# KiCad board V1.3.kicad_pcb (continued)
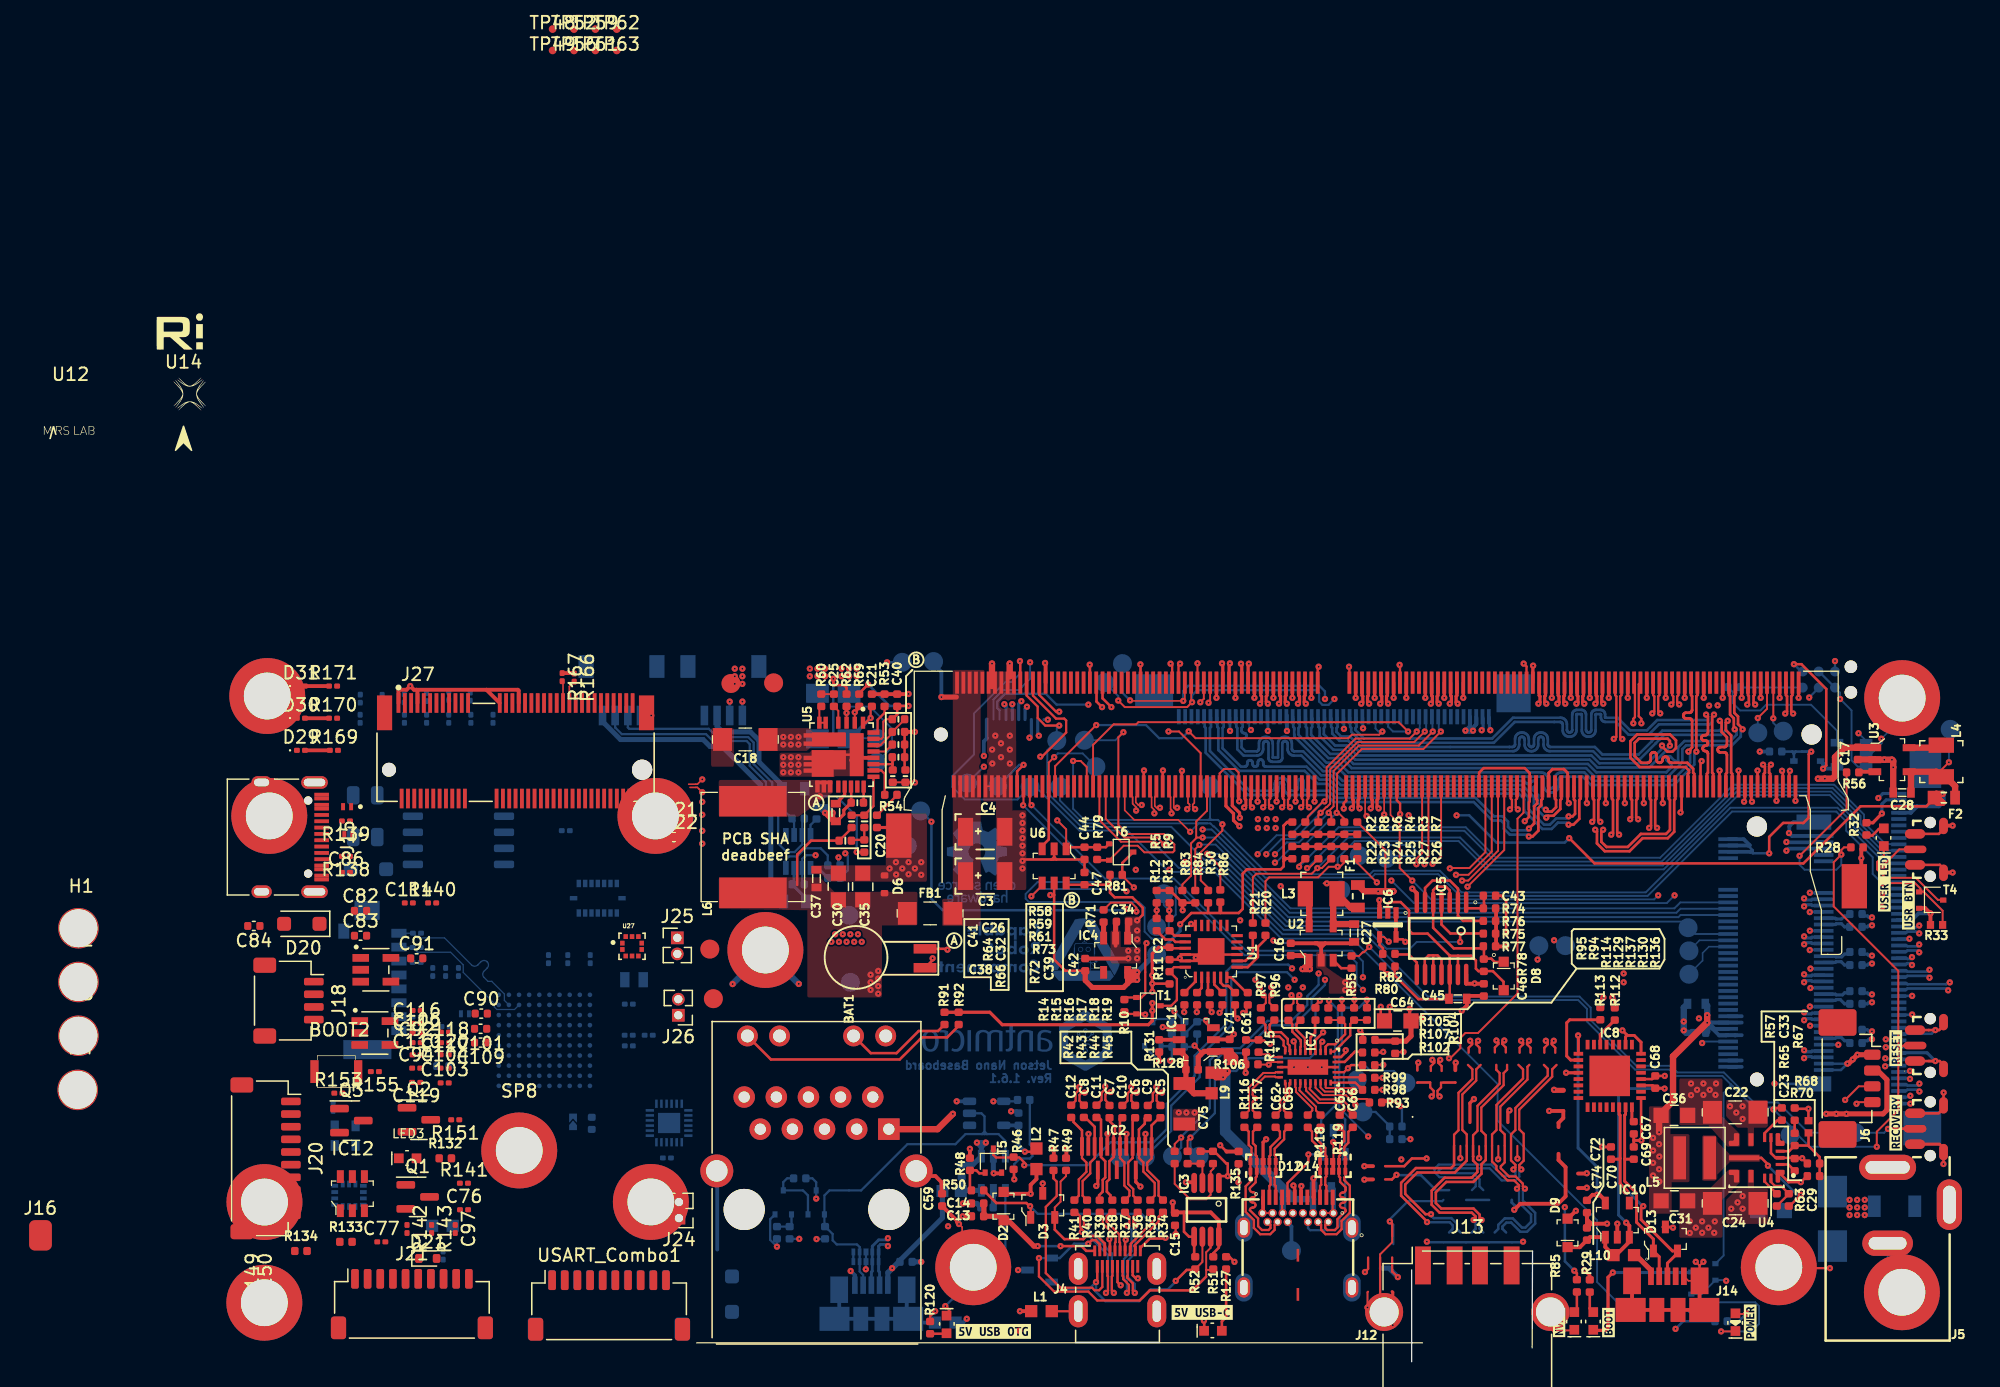
[diagram p0: board, top side]
## Routing (per net, layer and track width the routed paths; a pad name or vN(x,y) marks a point on that pad's centre or on a via; arc(x,y) is an arc through that point) (continued)
ENET_TRD0_P: length 53.4
  Top w0.125: M1.186 38.82,44.18 38.94,44.05 38.94,43.88 v1(38.76,43.69)
  In5_3V3_SYS_SIGNAL.Cu w0.125: v1(38.76,43.69) 38.89,43.55 38.89,43.05 37.77,41.92 31.39,41.92 30.82,41.35 30.82,34.65 30.83,34.56 30.86,34.47 30.9,34.4 30.97,34.33 31.04,34.29 31.13,34.26 31.22,34.25 31.37,34.25 31.41,34.24 31.45,34.23 31.48,34.21 31.51,34.18 31.53,34.15 31.54,34.11 31.55,34.07 31.54,34.03 31.53,34 31.51,33.96 31.48,33.93 31.45,33.91 31.41,33.9 31.37,33.9 30.49,33.9 30.4,33.89 30.31,33.86 30.24,33.81 30.17,33.75 30.13,33.67 30.1,33.58 30.09,33.5 30.09,33.45 30.1,33.36 30.13,33.27 30.17,33.2 30.24,33.13 30.31,33.09 30.4,33.06 30.49,33.05 31.37,33.05 31.41,33.04 31.45,33.03 31.48,33.01 31.51,32.98 31.53,32.95 31.54,32.91 31.55,32.87 31.54,32.83 31.53,32.8 31.51,32.76 31.48,32.73 31.45,32.71 31.41,32.7 31.37,32.7 30.49,32.7 30.4,32.69 30.31,32.66 30.24,32.61 30.17,32.55 30.13,32.47 30.1,32.38 30.09,32.3 30.09,32.25 30.1,32.16 30.13,32.07 30.17,32 30.24,31.93 30.31,31.89 30.4,31.86 30.49,31.85 31.37,31.85 31.41,31.84 31.45,31.83 31.48,31.81 31.51,31.78 31.53,31.75 31.54,31.71 31.55,31.67 31.54,31.63 31.53,31.6 31.51,31.56 31.48,31.53 31.45,31.51 31.41,31.5 31.37,31.5 31.22,31.5 31.13,31.49 31.04,31.46 30.97,31.41 30.9,31.35 30.86,31.27 30.83,31.18 30.82,31.1 30.82,27.45 30.32,26.95 26.71,23.35 26.69,23.33 26.67,23.32 26.64,23.31 26.61,23.31 26.58,23.32 26.56,23.33 26.54,23.35 26.32,23.56 26.3,23.58 26.27,23.59 26.25,23.6 26.22,23.6 26.19,23.59 26.17,23.58 26.15,23.56 26.13,23.54 26.12,23.51 26.11,23.49 26.11,23.46 26.12,23.43 26.13,23.41 26.15,23.38 26.36,23.17 26.38,23.15 26.39,23.12 26.4,23.09 26.4,23.07 26.39,23.04 26.38,23.01 26.36,22.99 26.34,22.97 26.31,22.96 26.29,22.96 26.26,22.96 26.23,22.96 26.21,22.97 26.18,22.99 25.97,23.21 25.95,23.22 25.92,23.24 25.89,23.24 25.87,23.24 25.84,23.24 25.81,23.22 25.79,23.21 25.77,23.18 25.76,23.16 25.76,23.13 25.76,23.1 25.76,23.08 25.77,23.05 25.79,23.03 26.01,22.81 26.02,22.79 26.04,22.77 26.04,22.74 26.04,22.71 26.04,22.69 26.02,22.66 26.01,22.64 25.98,22.62 25.96,22.61 25.93,22.6 25.9,22.6 25.88,22.61 25.85,22.62 25.83,22.64 25.61,22.85 25.59,22.87 25.57,22.88 25.54,22.89 25.51,22.89 25.49,22.88 25.46,22.87 25.44,22.85 25.42,22.83 25.41,22.81 25.4,22.78 25.4,22.75 25.41,22.72 25.42,22.7 25.44,22.68 25.65,22.46 25.67,22.44 25.68,22.41 25.69,22.39 25.69,22.36 25.68,22.33 25.67,22.31 25.65,22.28 25.21,21.85 14.83,21.85 J10.2
ENET_TRD1_N: length 53.4
  Top w0.125: 37.7,43.8 v1(37.96,43.8) ; 37.69,43.8 37.69,44.64 37.82,44.76 M1.190
  In5_3V3_SYS_SIGNAL.Cu w0.125: v1(37.96,43.8) 37.61,43.8 37.6,43.79 37.31,43.79 37.08,43.57 37.08,43.27 36.38,42.57 30.22,42.57 29.47,41.82 29.47,38.2 29.48,38.12 29.5,38.05 29.54,37.98 29.6,37.93 29.66,37.89 29.74,37.86 29.81,37.85 29.96,37.85 29.98,37.85 30.01,37.84 30.03,37.83 30.05,37.81 30.06,37.79 30.07,37.76 30.07,37.74 30.07,37.72 30.07,37.7 30.06,37.67 30.05,37.65 30.03,37.63 30.01,37.62 29.98,37.61 29.96,37.6 29.81,37.6 29.74,37.6 29.66,37.57 29.6,37.53 29.54,37.47 29.5,37.41 29.48,37.34 29.47,37.26 29.47,37.2 29.48,37.12 29.5,37.05 29.54,36.98 29.6,36.93 29.66,36.89 29.74,36.86 29.81,36.85 29.96,36.85 29.98,36.85 30.01,36.84 30.03,36.83 30.05,36.81 30.06,36.79 30.07,36.76 30.07,36.74 30.07,36.72 30.07,36.7 30.06,36.67 30.05,36.65 30.03,36.63 30.01,36.62 29.98,36.61 29.96,36.6 29.81,36.6 29.74,36.6 29.66,36.57 29.6,36.53 29.54,36.47 29.5,36.41 29.48,36.34 29.47,36.26 29.47,36.2 29.48,36.12 29.5,36.05 29.54,35.98 29.6,35.93 29.66,35.89 29.74,35.86 29.81,35.85 29.96,35.85 29.98,35.85 30.01,35.84 30.03,35.83 30.05,35.81 30.06,35.79 30.07,35.76 30.07,35.74 30.07,35.72 30.07,35.7 30.06,35.67 30.05,35.65 30.03,35.63 30.01,35.62 29.98,35.61 29.96,35.6 29.81,35.6 29.74,35.6 29.66,35.57 29.6,35.53 29.54,35.47 29.5,35.41 29.48,35.34 29.47,35.26 29.47,27.9 24.19,22.62 10.46,22.62 10.1,22.26 J10.5
ENET_TRD1_P: length 53.4
  Top w0.125: M1.192 37.32,44.76 37.44,44.64 37.44,43.7 37.52,43.62 v1(37.52,43.36)
  In5_3V3_SYS_SIGNAL.Cu w0.125: v1(37.52,43.36) 36.48,42.32 30.37,42.32 29.72,41.67 29.72,38.22 29.72,38.2 29.73,38.17 29.74,38.15 29.76,38.13 29.78,38.12 29.81,38.11 29.83,38.1 29.98,38.1 30.06,38.1 30.13,38.07 30.19,38.03 30.25,37.97 30.29,37.91 30.32,37.84 30.32,37.76 30.32,37.7 30.32,37.62 30.29,37.55 30.25,37.48 30.19,37.43 30.13,37.39 30.06,37.36 29.98,37.35 29.83,37.35 29.81,37.35 29.78,37.34 29.76,37.33 29.74,37.31 29.73,37.29 29.72,37.26 29.72,37.24 29.72,37.22 29.72,37.2 29.73,37.17 29.74,37.15 29.76,37.13 29.78,37.12 29.81,37.11 29.83,37.1 29.98,37.1 30.06,37.1 30.13,37.07 30.19,37.03 30.25,36.97 30.29,36.91 30.32,36.84 30.32,36.76 30.32,36.7 30.32,36.62 30.29,36.55 30.25,36.48 30.19,36.43 30.13,36.39 30.06,36.36 29.98,36.35 29.83,36.35 29.81,36.35 29.78,36.34 29.76,36.33 29.74,36.31 29.73,36.29 29.72,36.26 29.72,36.24 29.72,36.22 29.72,36.2 29.73,36.17 29.74,36.15 29.76,36.13 29.78,36.12 29.81,36.11 29.83,36.1 29.98,36.1 30.06,36.1 30.13,36.07 30.19,36.03 30.25,35.97 30.29,35.91 30.32,35.84 30.32,35.76 30.32,35.7 30.32,35.62 30.29,35.55 30.25,35.48 30.19,35.43 30.13,35.39 30.06,35.36 29.98,35.35 29.83,35.35 29.81,35.35 29.78,35.34 29.76,35.33 29.74,35.31 29.73,35.29 29.72,35.26 29.72,35.24 29.72,27.79 27.87,25.95 27.85,25.92 27.84,25.9 27.83,25.87 27.83,25.84 27.84,25.82 27.85,25.79 27.89,25.75 27.9,25.72 27.91,25.7 27.91,25.67 27.9,25.64 27.89,25.62 27.87,25.59 27.85,25.58 27.82,25.56 27.79,25.56 27.77,25.56 27.74,25.56 27.71,25.58 27.67,25.61 27.65,25.62 27.62,25.63 27.59,25.63 27.56,25.62 27.54,25.61 27.52,25.59 27.5,25.57 27.49,25.55 27.48,25.52 27.48,25.49 27.49,25.46 27.5,25.44 27.53,25.39 27.55,25.37 27.55,25.34 27.55,25.31 27.55,25.29 27.53,25.26 27.52,25.24 27.49,25.22 27.47,25.21 27.44,25.2 27.41,25.2 27.39,25.21 27.36,25.22 27.32,25.26 27.29,25.27 27.26,25.28 27.24,25.28 27.21,25.27 27.18,25.26 27.16,25.24 27.14,25.22 27.13,25.19 27.13,25.17 27.13,25.14 27.13,25.11 27.14,25.08 27.18,25.04 27.19,25.02 27.2,24.99 27.2,24.96 27.19,24.93 27.18,24.91 27.16,24.89 27.14,24.87 27.11,24.86 27.09,24.85 27.06,24.85 27.03,24.86 27.01,24.87 26.96,24.9 26.94,24.92 26.91,24.92 26.88,24.92 26.86,24.92 26.83,24.9 26.81,24.89 26.79,24.86 26.78,24.84 26.77,24.81 26.77,24.78 26.78,24.76 26.79,24.73 26.83,24.69 26.84,24.66 26.84,24.64 26.84,24.61 26.84,24.58 26.83,24.55 26.81,24.53 26.79,24.52 26.76,24.5 26.73,24.5 26.71,24.5 26.68,24.5 26.65,24.52 26.61,24.55 26.58,24.56 26.56,24.57 26.53,24.57 26.5,24.56 26.48,24.55 26.45,24.53 24.29,22.37 13.14,22.37 13.11,22.37 13.09,22.36 13.06,22.34 13.04,22.32 13.03,22.3 13.02,22.27 13.02,22.25 13.02,22.07 13.01,22.04 13,22.02 12.99,21.99 12.97,21.97 12.95,21.96 12.92,21.95 12.89,21.94 12.86,21.95 12.84,21.96 12.81,21.97 12.79,21.99 12.78,22.02 12.77,22.04 12.77,22.07 12.77,22.25 12.76,22.27 12.75,22.3 12.74,22.32 12.72,22.34 12.7,22.36 12.67,22.37 12.64,22.37 12.61,22.37 12.59,22.36 12.56,22.34 12.54,22.32 12.53,22.3 12.52,22.27 12.52,22.25 12.52,22.07 12.51,22.04 12.5,22.02 12.49,21.99 12.47,21.97 12.45,21.96 12.42,21.95 12.39,21.94 12.36,21.95 12.34,21.96 12.31,21.97 12.29,21.99 12.28,22.02 12.27,22.04 12.27,22.07 12.27,22.25 12.26,22.27 12.25,22.3 12.24,22.32 12.22,22.34 12.2,22.36 12.17,22.37 12.14,22.37 12.11,22.37 12.09,22.36 12.06,22.34 12.04,22.32 12.03,22.3 12.02,22.27 12.02,22.25 12.02,22.07 12.01,22.04 12,22.02 11.99,21.99 11.97,21.97 11.95,21.96 11.92,21.95 11.89,21.94 11.86,21.95 11.84,21.96 11.81,21.97 11.79,21.99 11.78,22.02 11.77,22.04 11.77,22.07 11.77,22.25 11.76,22.27 11.75,22.3 11.74,22.32 11.72,22.34 11.7,22.36 11.67,22.37 11.64,22.37 10.57,22.37 10.35,22.15 10.35,21.95 J10.4
ENET_TRD2_N: length 53.4
  Top w0.125: M1.196 36.32,44.76 36.19,44.64 36.19,43.94 36.34,43.8 v1(36.6,43.8)
  In5_3V3_SYS_SIGNAL.Cu w0.125: J10.8 8.69,23.32 23.19,23.32 24.35,24.48 24.37,24.51 24.38,24.53 24.39,24.56 24.39,24.59 24.38,24.61 24.37,24.64 24.35,24.66 24.27,24.74 24.26,24.76 24.24,24.79 24.24,24.82 24.24,24.84 24.24,24.87 24.26,24.9 24.27,24.92 24.29,24.94 24.32,24.95 24.35,24.95 24.38,24.95 24.4,24.95 24.43,24.94 24.45,24.92 24.53,24.84 24.55,24.82 24.58,24.81 24.6,24.8 24.63,24.8 24.66,24.81 24.68,24.82 24.71,24.84 24.72,24.86 24.74,24.89 24.74,24.91 24.74,24.94 24.74,24.97 24.72,24.99 24.71,25.01 24.63,25.1 24.61,25.12 24.6,25.14 24.59,25.17 24.59,25.2 24.6,25.22 24.61,25.25 24.63,25.27 24.65,25.29 24.67,25.3 24.7,25.31 24.73,25.31 24.76,25.3 24.78,25.29 24.8,25.27 24.88,25.19 24.91,25.17 24.93,25.16 24.96,25.16 24.99,25.16 25.01,25.16 25.04,25.17 25.06,25.19 25.08,25.21 25.09,25.24 25.1,25.27 25.1,25.29 25.09,25.32 25.08,25.35 25.06,25.37 24.98,25.45 24.96,25.47 24.95,25.5 24.94,25.52 24.94,25.55 24.95,25.58 24.96,25.6 24.98,25.63 25,25.64 25.03,25.65 25.05,25.66 25.08,25.66 25.11,25.65 25.13,25.64 25.16,25.63 25.24,25.55 25.26,25.53 25.28,25.52 25.31,25.51 25.34,25.51 25.37,25.52 25.39,25.53 25.41,25.55 28.62,28.75 28.62,31.92 28.61,31.96 28.6,32 28.58,32.03 28.55,32.06 28.52,32.08 28.48,32.09 28.44,32.1 28.27,32.1 28.18,32.11 28.09,32.14 28.02,32.18 27.95,32.25 27.91,32.32 27.88,32.41 27.87,32.5 27.87,32.55 27.88,32.63 27.91,32.72 27.95,32.8 28.02,32.86 28.09,32.91 28.18,32.94 28.27,32.95 28.44,32.95 28.48,32.95 28.52,32.96 28.55,32.98 28.58,33.01 28.6,33.05 28.61,33.08 28.62,33.12 28.61,33.16 28.6,33.2 28.58,33.23 28.55,33.26 28.52,33.28 28.48,33.29 28.44,33.3 28.27,33.3 28.18,33.31 28.09,33.34 28.02,33.38 27.95,33.45 27.91,33.52 27.88,33.61 27.87,33.7 27.87,33.75 27.88,33.83 27.91,33.92 27.95,34 28.02,34.06 28.09,34.11 28.18,34.14 28.27,34.15 28.44,34.15 28.48,34.15 28.52,34.16 28.55,34.18 28.58,34.21 28.6,34.25 28.61,34.28 28.62,34.32 28.62,42.12 29.61,43.12 35.57,43.12 35.72,43.27 35.72,43.57 35.95,43.79 36.24,43.79 36.25,43.8 v1(36.6,43.8)
ENET_TRD2_P: length 53.4
  Top w0.125: v1(36.16,43.36) 36.16,43.62 35.94,43.84 35.94,44.64 35.82,44.76 M1.198
  In5_3V3_SYS_SIGNAL.Cu w0.125: J10.7 7.56,21.84 8.79,23.07 8.92,23.07 8.94,23.07 8.97,23.06 8.99,23.04 9.01,23.02 9.03,23 9.04,22.97 9.04,22.95 9.04,22.93 9.04,22.9 9.05,22.88 9.07,22.85 9.09,22.83 9.11,22.82 9.14,22.81 9.17,22.8 9.19,22.81 9.22,22.82 9.24,22.83 9.26,22.85 9.28,22.88 9.29,22.9 9.29,22.93 9.29,22.95 9.29,22.97 9.3,23 9.32,23.02 9.34,23.04 9.36,23.06 9.39,23.07 9.42,23.07 23.29,23.07 28.87,28.64 28.87,31.95 28.86,32.03 28.83,32.12 28.78,32.2 28.72,32.26 28.64,32.31 28.56,32.34 28.47,32.35 28.29,32.35 28.25,32.35 28.22,32.36 28.18,32.38 28.15,32.41 28.13,32.45 28.12,32.48 28.12,32.52 28.12,32.56 28.13,32.6 28.15,32.63 28.18,32.66 28.22,32.68 28.25,32.69 28.29,32.7 28.47,32.7 28.56,32.71 28.64,32.74 28.72,32.78 28.78,32.85 28.83,32.92 28.86,33.01 28.87,33.1 28.87,33.15 28.86,33.23 28.83,33.32 28.78,33.4 28.72,33.46 28.64,33.51 28.56,33.54 28.47,33.55 28.29,33.55 28.25,33.55 28.22,33.56 28.18,33.58 28.15,33.61 28.13,33.65 28.12,33.68 28.12,33.72 28.12,33.76 28.13,33.8 28.15,33.83 28.18,33.86 28.22,33.88 28.25,33.89 28.29,33.9 28.47,33.9 28.56,33.91 28.64,33.94 28.72,33.98 28.78,34.05 28.83,34.12 28.86,34.21 28.87,34.3 28.87,42.02 29.72,42.87 35.67,42.87 v1(36.16,43.36)
ENET_TRD3_N: length 53.4
  Top w0.125: M1.202 34.82,44.76 34.69,44.64 34.69,44.22 34.9,44.02 v1(35.16,44.02)
  In5_3V3_SYS_SIGNAL.Cu w0.125: J10.10 6.95,24.12 22.59,24.12 24.17,25.7 24.19,25.72 24.2,25.75 24.2,25.77 24.2,25.8 24.2,25.83 24.19,25.85 24.17,25.88 24.07,25.97 24.05,25.99 24.04,26.02 24.03,26.05 24.03,26.08 24.04,26.1 24.05,26.13 24.07,26.15 24.09,26.17 24.12,26.18 24.14,26.19 24.17,26.19 24.2,26.18 24.23,26.17 24.25,26.15 24.34,26.05 24.37,26.03 24.39,26.02 24.42,26.02 24.45,26.02 24.47,26.02 24.5,26.03 24.52,26.05 24.54,26.07 24.55,26.1 24.56,26.13 24.56,26.15 24.55,26.18 24.54,26.21 24.52,26.23 24.42,26.33 24.41,26.35 24.39,26.37 24.39,26.4 24.39,26.43 24.39,26.46 24.41,26.48 24.42,26.5 24.45,26.52 24.47,26.53 24.5,26.54 24.53,26.54 24.55,26.53 24.58,26.52 24.6,26.5 24.7,26.41 24.72,26.39 24.74,26.38 24.77,26.37 24.8,26.37 24.83,26.38 24.85,26.39 24.87,26.41 24.89,26.43 24.9,26.45 24.91,26.48 24.91,26.51 24.9,26.54 24.89,26.56 24.87,26.58 24.78,26.68 24.76,26.7 24.75,26.73 24.74,26.75 24.74,26.78 24.75,26.81 24.76,26.83 24.78,26.86 24.8,26.87 24.82,26.89 24.85,26.89 24.88,26.89 24.91,26.89 24.93,26.87 24.95,26.86 25.05,26.76 25.07,26.74 25.1,26.73 25.13,26.72 25.15,26.72 25.18,26.73 25.21,26.74 25.23,26.76 27.12,28.65 27.12,43.65 27.59,44.12 34.79,44.12 34.9,44.02 v1(35.16,44.02)
ENET_TRD3_P: length 53.4
  Top w0.125: v1(34.72,43.58) 34.72,43.84 34.44,44.12 34.44,44.64 34.32,44.76 M1.204
  In5_3V3_SYS_SIGNAL.Cu w0.125: v1(34.72,43.58) 34.72,43.84 34.69,43.87 27.69,43.87 27.37,43.54 27.37,28.54 22.69,23.87 7.05,23.87 5.02,21.84 J10.9
FAN_PWM: length 11.5
  Top w0.15: v1(28.24,47.8) 27.82,47.37 M1.230
  Top w0.2: M1.230 27.82,41.3 27.29,40.77 U6.3
  Bottom w0.15: TP8.1 30.49,48.1 28.54,48.1 v1(28.24,47.8)
FAN_TACH: length 23.3
  Top w0.15: v1(33.72,49.77) 33.32,49.37 M1.208 33.32,42.44 34.04,41.72 36.92,41.72 37.74,40.9 37.74,40.4 37.62,40.28 35.37,40.28 34.85,40.8 33.74,40.8 T6.2
  Top w0.2: R79.2 31.71,39.65 T6.2
  Bottom w0.15: v1(33.72,49.77) 33.08,49.13 TP9.1
GEN0_SCL: length 126
  Top w0.125: M1.185 39.07,52.22 v1(39.14,52.15)
  Top w0.15: v1(39.14,52.15) 38.75,51.76 33.82,51.76 v1(33.31,52.27)
  Top w0.18: R98.1 v1(54.19,21.5)
  In2.Cu w0.125: v1(54.19,21.5) 54.23,21.5 56.54,23.81 56.54,25.16 55.69,26.01 55.69,30.35 55.44,30.6 55.44,33.65 54.99,34.1 52.1,34.1 51.94,34.25 51.94,39.54 55.14,42.74 55.14,43.9 50.14,48.9 50.14,52.15 v1(50.39,52.4)
  In2.Cu w0.15: v1(91.8,49.69) 90.73,49.69 v1(87.9,52.52) 87.22,53.2 80.84,53.2 80.54,52.9 80.54,52.02 v1(80.67,51.9)
  In3_SIGNAL.Cu w0.15: v1(39.14,52.15) 38.74,51.75 38.04,51.75 37.89,51.9 37.89,53.05 39.34,54.5 79.27,54.5 80.62,53.15 80.62,51.95 v1(80.67,51.9)
  Bottom w0.15: v1(33.31,52.27) 33.31,52.63 TP14.1 ; IC1.1 92.4,49.09 v1(91.8,49.69)
  Bottom w0.18: v1(39.14,52.15) 39.14,52.7 39.54,53.1 48.94,53.1 49.18,52.86 49.18,52.2 49.45,51.93 49.93,51.93 v1(50.39,52.4) ; v1(87.9,52.52) 88.66,53.27 TP1.4
GEN0_SDA: length 127
  Top w0.125: M1.187 38.57,52.37 v1(38.44,52.25) 34.29,52.25 v1(34.24,52.29)
  Top w0.18: R99.1 v1(54.19,22.45)
  In2.Cu w0.125: v1(49.64,52.4) 49.89,52.15 49.89,48.8 54.89,43.8 54.89,42.85 51.64,39.6 51.64,34.05 51.89,33.8 54.84,33.8 55.14,33.5 55.14,30.55 55.39,30.3 55.39,25.95 56.29,25.05 56.29,23.91 54.82,22.45 v1(54.19,22.45)
  In2.Cu w0.15: v1(79.99,51.87) 80.14,52.02 80.14,53.1 80.74,53.7 89.04,53.7 v1(90.34,52.4)
  In3_SIGNAL.Cu w0.15: v1(38.44,52.25) 38.44,53 39.54,54.1 79.14,54.1 80.02,53.22 80.02,51.9 v1(79.99,51.87)
  Bottom w0.15: IC1.3 91.75,47.04 91.25,47.54 91.25,51.49 v1(90.34,52.4) 90.34,52.9 TP1.6
  Bottom w0.18: TP1.6 88.67,54.57 TP1.3 ; TP15.1 33.64,52.89 v1(34.24,52.29) ; v1(38.44,52.25) 38.44,53.05 38.84,53.45 49.19,53.45 49.64,53 v1(49.64,52.4)
HDMI_PWR: length 31.2
  Top w0.2: 41.26,9.88 41.26,9.02 40.81,8.58 40.81,8.22 ; 39.39,8.22 39.31,8.3 IC3.5 38.9,9.88 38.5,10.28 38.5,11.8
  Top w0.25: v1(31.57,13.9) 31.69,14.02 IC2.13 ; IC2.15 34.69,14.21 v1(35.06,13.85)
  Top w0.3: 41.26,9.88 41.26,11.16 40.61,11.8 37.69,11.8 37.64,11.75 37.61,11.77 v1(37.61,12.59) ; L2.2 26.84,14.44 26.39,13.99 v1(26.39,13.28) 24.39,13.28 D2.A
  In2.Cu w0.3: v1(37.61,12.59) 36.34,13.86 29.74,13.86 29.15,13.28 v1(26.39,13.28)
HDMI_SHIELD: length 6.8
  Top w0.18: J4.SH 28.06,3.99 L1.2
  Top w0.2: v1(33.5,6.04) 33.25,6.29 J4.10 ; J4.7 33.85,9.59 v1(33.9,9.64) ; J4.13 32.65,9.64 v1(32.6,9.69) ; v1(34.86,6.6) 34.69,6.6 34.45,6.84 J4.4
I2C1_SCL: length 39.6
  Top w0.18: v1(38.19,55.19) 38.07,55.07 M1.189
  In3_SIGNAL.Cu w0.15: v1(38.19,55.19) 38.19,54.35 37.24,53.4 16.24,53.4 15.17,52.32 3.74,52.32 v1(3.61,52.19) 3.61,51.59
  Bottom w0.18: v1(3.61,52.19) J9.4
I2C1_SDA: length 39.3
  Top w0.18: M1.191 37.57,55.06 v1(37.44,55.19)
  In3_SIGNAL.Cu w0.15: v1(37.44,55.19) 37.44,54.2 37.04,53.8 16.04,53.8 15.04,52.79 3.21,52.79 v1(2.61,52.19)
  Bottom w0.18: v1(2.61,52.19) J9.3
I2C_MUX_RESET: length 53.4
  Top w0.18: R10.2 33.96,28.8 T1.1 35.14,28.8 35.44,29.1 35.44,33 v1(35.54,33.1) ; M1.127 55.57,55.07 v1(55.54,55.1)
  In2.Cu w0.125: v1(35.54,33.1) 39.04,33.1 39.64,33.7 39.64,35.8 35.64,39.8 35.64,44.93 36.04,45.33 36.04,53.5 36.54,54 48.54,54 48.94,54.4 54.84,54.4 v1(55.54,55.1)
M2_ALERT: length 58.8
  Top w0.15: M1.212 32.32,42.92 33.79,41.45 36.39,41.45 v1(36.94,40.9) ; R86.1 41.37,39.12 v1(40.34,40.16)
  In2.Cu w0.15: v1(36.94,40.9) 37.68,40.16 v1(40.34,40.16)
  Bottom w0.15: J7.44 78.9,33.81 77.92,34.8 46.64,34.8 41.28,40.16 v1(40.34,40.16)
OTG_USB_D_N: length 86.4
  Top w0.25: v1(60.13,52.03) 60.01,52.15 60.01,52.61 60.07,52.68 60.07,53.69
  In3_SIGNAL.Cu w0.16: v1(60.13,52.03) 60.13,51.67 59.96,51.5 59.96,49.63 59.35,49.02 33.57,49.02 29.88,45.32 29.88,37.03 27.77,34.92 27.77,20.22 26.27,18.72 20.77,18.72 19.98,17.94 19.98,12.49 16.81,9.31 15.28,9.31 v1(15.11,9.14)
  Bottom w0.23: J11.2 14.45,7.09 14.38,7.16 14.38,9.13 14.52,9.28 14.98,9.28 v1(15.11,9.14)
OTG_USB_D_P: length 86.6
  Top w0.25: v1(59.51,52.03) 59.63,52.15 59.63,52.61 59.57,52.68 59.57,53.69
  In3_SIGNAL.Cu w0.16: v1(59.51,52.03) 59.51,51.67 59.66,51.52 59.66,49.73 59.23,49.3 33.45,49.3 29.59,45.44 29.59,37.15 27.48,35.04 27.48,20.34 26.15,19.01 20.65,19.01 19.7,18.06 19.7,12.61 16.69,9.6 15.28,9.6 v1(15.11,9.77)
  Bottom w0.23: v1(15.11,9.77) 14.98,9.63 14.38,9.63 13.88,9.13 13.88,7.16 13.8,7.09 J11.3
PCIE0_CLK_N: length 66
  Top w0.18: v1(45.38,43.83) 45.22,43.99 45.22,44.43 45.32,44.52 M1.160
  In3_SIGNAL.Cu w0.185: v1(45.38,43.83) 45.22,43.99 45.22,44.43 45.94,45.14 59.5,45.14 64.39,40.26 70.13,40.26 70.22,40.27 70.31,40.3 70.39,40.35 70.45,40.42 70.5,40.49 70.53,40.58 70.54,40.67 70.54,40.85 70.54,40.88 70.55,40.9 70.57,40.93 70.59,40.94 70.61,40.96 70.63,40.97 70.66,40.97 70.79,40.97 70.82,40.97 70.84,40.96 70.87,40.94 70.89,40.93 70.9,40.9 70.91,40.88 70.91,40.85 70.91,39.96 70.92,39.87 70.95,39.78 71,39.71 71.06,39.64 71.14,39.59 71.23,39.56 71.32,39.55 71.5,39.55 71.6,39.56 71.68,39.59 71.76,39.64 71.82,39.71 71.87,39.78 71.9,39.87 71.91,39.96 71.91,40.8 71.91,40.82 71.92,40.83 71.93,40.84 71.94,40.85 71.95,40.86 71.96,40.87 71.98,40.87 72.22,40.87 72.23,40.87 72.24,40.86 72.26,40.85 72.27,40.84 72.28,40.83 72.28,40.82 72.28,40.8 72.28,39.96 72.29,39.87 72.32,39.78 72.37,39.71 72.44,39.64 72.51,39.59 72.6,39.56 72.69,39.55 72.88,39.55 72.97,39.56 73.05,39.59 73.13,39.64 73.19,39.71 73.24,39.78 73.27,39.87 73.28,39.96 73.28,40.85 73.29,40.88 73.3,40.9 73.31,40.93 73.33,40.94 73.35,40.96 73.37,40.97 73.4,40.97 73.54,40.97 73.56,40.97 73.59,40.96 73.61,40.94 73.63,40.93 73.64,40.9 73.65,40.88 73.65,40.85 73.65,39.96 73.66,39.87 73.69,39.78 73.74,39.71 73.81,39.64 73.88,39.59 73.97,39.56 74.06,39.55 74.25,39.55 74.34,39.56 74.42,39.59 74.5,39.64 74.57,39.71 74.61,39.78 74.64,39.87 74.65,39.96 74.65,40.85 74.66,40.88 74.67,40.9 74.68,40.93 74.7,40.94 74.72,40.96 74.75,40.97 74.77,40.97 74.91,40.97 74.93,40.97 74.96,40.96 74.98,40.94 75,40.93 75.01,40.9 75.02,40.88 75.02,40.85 75.02,39.96 75.03,39.87 75.06,39.78 75.11,39.71 75.18,39.64 75.26,39.59 75.34,39.56 75.43,39.55 75.62,39.55 75.71,39.56 75.79,39.59 75.87,39.64 75.94,39.71 75.99,39.78 76.02,39.87 76.03,39.96 76.03,40.85 76.03,40.88 76.04,40.9 76.05,40.93 76.07,40.94 76.09,40.96 76.12,40.97 76.14,40.97 76.28,40.97 76.3,40.97 76.33,40.96 76.35,40.94 76.37,40.93 76.38,40.9 76.39,40.88 76.4,40.85 76.4,39.96 76.41,39.87 76.44,39.78 76.48,39.71 76.55,39.64 76.63,39.59 76.71,39.56 76.8,39.55 76.99,39.55 77.08,39.56 77.17,39.59 77.24,39.64 77.31,39.71 77.36,39.78 77.39,39.87 77.4,39.96 77.4,40.85 77.4,40.88 77.41,40.9 77.42,40.93 77.44,40.94 77.46,40.96 77.49,40.97 77.51,40.97 77.65,40.97 77.68,40.97 77.7,40.96 77.72,40.94 77.74,40.93 77.76,40.9 77.76,40.88 77.77,40.85 77.77,39.96 77.78,39.87 77.81,39.78 77.86,39.71 77.92,39.64 78,39.59 78.08,39.56 78.17,39.55 78.36,39.55 78.45,39.56 78.54,39.59 78.61,39.64 78.68,39.71 78.73,39.78 78.76,39.87 78.77,39.96 78.77,40.85 78.77,40.88 78.78,40.9 78.79,40.93 78.81,40.94 78.83,40.96 78.86,40.97 78.89,40.97 79.02,40.97 79.05,40.97 79.07,40.96 79.09,40.94 79.11,40.93 79.13,40.9 79.13,40.88 79.14,40.85 79.14,40.67 79.15,40.58 79.18,40.49 79.23,40.42 79.29,40.35 79.37,40.3 79.45,40.27 79.55,40.26 81.23,40.26 85.34,36.16 86.21,36.16 86.25,36.16 86.29,36.14 86.32,36.12 86.35,36.09 86.37,36.06 86.39,36.02 86.39,35.97 86.39,35.93 86.4,35.89 86.41,35.85 86.43,35.81 86.46,35.78 86.5,35.76 86.54,35.75 86.58,35.74 86.62,35.75 86.66,35.76 86.69,35.78 86.72,35.81 86.74,35.85 86.76,35.89 86.76,35.93 86.76,35.97 86.77,36.02 86.78,36.06 86.8,36.09 86.83,36.12 86.87,36.14 86.91,36.16 86.95,36.16 87.34,36.16 v1(87.5,36)
  Bottom w0.25: v1(87.5,36) 87.62,36.13 88.07,36.13 88.13,36.06 J7.53
PCIE0_CLK_P: length 66
  Top w0.18: v1(44.76,43.83) 44.92,43.99 44.92,44.43 44.82,44.52 M1.162
  In3_SIGNAL.Cu w0.185: v1(87.5,36.63) 87.34,36.47 85.46,36.47 81.36,40.58 79.57,40.58 79.54,40.58 79.52,40.59 79.5,40.6 79.48,40.62 79.46,40.64 79.46,40.67 79.45,40.69 79.45,40.88 79.44,40.97 79.41,41.05 79.36,41.13 79.3,41.2 79.22,41.24 79.14,41.27 79.05,41.28 78.86,41.28 78.77,41.27 78.68,41.24 78.61,41.2 78.54,41.13 78.49,41.05 78.46,40.97 78.45,40.88 78.45,39.99 78.45,39.96 78.44,39.94 78.43,39.91 78.41,39.89 78.39,39.88 78.36,39.87 78.34,39.87 78.2,39.87 78.17,39.87 78.15,39.88 78.13,39.89 78.11,39.91 78.09,39.94 78.09,39.96 78.08,39.99 78.08,40.88 78.07,40.97 78.04,41.05 77.99,41.13 77.93,41.2 77.85,41.24 77.77,41.27 77.67,41.28 77.49,41.28 77.4,41.27 77.31,41.24 77.23,41.2 77.17,41.13 77.12,41.05 77.09,40.97 77.08,40.88 77.08,39.99 77.08,39.96 77.07,39.94 77.06,39.91 77.04,39.89 77.01,39.88 76.99,39.87 76.96,39.87 76.83,39.87 76.8,39.87 76.78,39.88 76.76,39.89 76.74,39.91 76.72,39.94 76.71,39.96 76.71,39.99 76.71,40.88 76.7,40.97 76.67,41.05 76.62,41.13 76.56,41.2 76.48,41.24 76.39,41.27 76.3,41.28 76.12,41.28 76.03,41.27 75.94,41.24 75.86,41.2 75.8,41.13 75.75,41.05 75.72,40.97 75.71,40.88 75.71,39.99 75.71,39.96 75.7,39.94 75.68,39.91 75.67,39.89 75.64,39.88 75.62,39.87 75.59,39.87 75.46,39.87 75.43,39.87 75.41,39.88 75.38,39.89 75.37,39.91 75.35,39.94 75.34,39.96 75.34,39.99 75.34,40.88 75.33,40.97 75.3,41.05 75.25,41.13 75.19,41.2 75.11,41.24 75.02,41.27 74.93,41.28 74.75,41.28 74.66,41.27 74.57,41.24 74.49,41.2 74.43,41.13 74.38,41.05 74.35,40.97 74.34,40.88 74.34,39.99 74.34,39.96 74.33,39.94 74.31,39.91 74.29,39.89 74.27,39.88 74.25,39.87 74.22,39.87 74.09,39.87 74.06,39.87 74.04,39.88 74.01,39.89 73.99,39.91 73.98,39.94 73.97,39.96 73.97,39.99 73.97,40.88 73.96,40.97 73.93,41.05 73.88,41.13 73.82,41.2 73.74,41.24 73.65,41.27 73.56,41.28 73.38,41.28 73.28,41.27 73.2,41.24 73.12,41.2 73.06,41.13 73.01,41.05 72.98,40.97 72.97,40.88 72.97,39.99 72.96,39.96 72.96,39.94 72.94,39.91 72.92,39.89 72.9,39.88 72.88,39.87 72.85,39.87 72.72,39.87 72.69,39.87 72.66,39.88 72.64,39.89 72.62,39.91 72.61,39.94 72.6,39.96 72.6,39.99 72.6,40.82 72.59,40.9 72.56,40.98 72.52,41.05 72.46,41.11 72.39,41.15 72.32,41.18 72.24,41.18 71.96,41.18 71.88,41.18 71.8,41.15 71.73,41.11 71.68,41.05 71.63,40.98 71.61,40.9 71.6,40.82 71.6,39.99 71.59,39.96 71.59,39.94 71.57,39.91 71.55,39.89 71.53,39.88 71.51,39.87 71.48,39.87 71.34,39.87 71.32,39.87 71.29,39.88 71.27,39.89 71.25,39.91 71.24,39.94 71.23,39.96 71.23,39.99 71.23,40.88 71.22,40.97 71.19,41.05 71.14,41.13 71.07,41.2 71,41.24 70.91,41.27 70.82,41.28 70.63,41.28 70.54,41.27 70.46,41.24 70.38,41.2 70.31,41.13 70.27,41.05 70.24,40.97 70.23,40.88 70.23,40.69 70.22,40.67 70.21,40.64 70.2,40.62 70.18,40.6 70.16,40.59 70.13,40.58 70.11,40.58 64.51,40.58 59.63,45.45 45.74,45.45 44.91,44.63 44.91,43.99 v1(44.76,43.83)
  Bottom w0.25: v1(87.5,36.63) 87.62,36.5 88.07,36.5 88.13,36.56 J7.55
PCIE0_RX0_N: length 66
  Top w0.25: M1.131 54.57,52.68 54.51,52.61 54.51,52.15 v1(54.63,52.03)
  In5_3V3_SYS_SIGNAL.Cu w0.195: v1(87.5,33) 87.65,33.15 88.94,33.15 89.37,33.58 89.37,34.48 88.89,34.95 86.91,34.95 86.69,35.17 86.69,35.81 82.11,40.39 82.11,44.1 78.67,47.55 72.57,47.55 70.78,49.34 70.64,49.34 70.64,49.34 70.36,49.34 69.27,49.34 69.16,49.33 69.05,49.29 68.96,49.23 68.88,49.16 68.83,49.07 68.79,48.96 68.78,48.85 68.78,48.42 68.77,48.38 68.76,48.34 68.74,48.3 68.71,48.27 68.67,48.25 68.63,48.23 68.58,48.23 68.54,48.23 68.5,48.25 68.46,48.27 68.43,48.3 68.41,48.34 68.39,48.38 68.39,48.42 68.39,50.11 68.38,50.22 68.34,50.33 68.28,50.42 68.2,50.5 68.11,50.55 68.01,50.59 67.9,50.6 67.84,50.6 67.73,50.59 67.63,50.55 67.54,50.5 67.46,50.42 67.4,50.33 67.37,50.22 67.35,50.11 67.35,48.42 67.35,48.38 67.33,48.34 67.31,48.3 67.28,48.27 67.24,48.25 67.2,48.23 67.16,48.23 67.12,48.23 67.07,48.25 67.04,48.27 67.01,48.3 66.98,48.34 66.97,48.38 66.96,48.42 66.96,50.11 66.95,50.22 66.92,50.33 66.86,50.42 66.78,50.5 66.69,50.55 66.58,50.59 66.48,50.6 66.42,50.6 66.31,50.59 66.2,50.55 66.11,50.5 66.04,50.42 65.98,50.33 65.94,50.22 65.93,50.11 65.93,48.42 65.92,48.38 65.91,48.34 65.89,48.3 65.86,48.27 65.82,48.25 65.78,48.23 65.73,48.23 65.69,48.23 65.65,48.25 65.61,48.27 65.58,48.3 65.56,48.34 65.54,48.38 65.54,48.42 65.54,50.11 65.53,50.22 65.49,50.33 65.43,50.42 65.36,50.5 65.26,50.55 65.16,50.59 65.05,50.6 64.99,50.6 64.88,50.59 64.78,50.55 64.69,50.5 64.61,50.42 64.55,50.33 64.52,50.22 64.5,50.11 64.5,48.42 64.5,48.38 64.48,48.34 64.46,48.3 64.43,48.27 64.39,48.25 64.35,48.23 64.31,48.23 64.27,48.23 64.22,48.25 64.19,48.27 64.16,48.3 64.13,48.34 64.12,48.38 64.11,48.42 64.11,48.85 64.1,48.96 64.07,49.07 64.01,49.16 63.93,49.23 63.84,49.29 63.74,49.33 63.63,49.34 55.87,49.34 54.48,50.73 54.48,51.87 v1(54.63,52.03)